# Altium PCB spin5v1_simple.PcbDoc (part 6 of 25)
Units mm, origin at the board's own origin, x right, y up, seen from the top; angles counter-clockwise.
Board outline 220.03 x 233.43 mm, 2 copper layers (TOP, BOTTOM), stack 0.176 mm thick; 1457 components, 4724 nets, 19245 pads, 25289 vias.
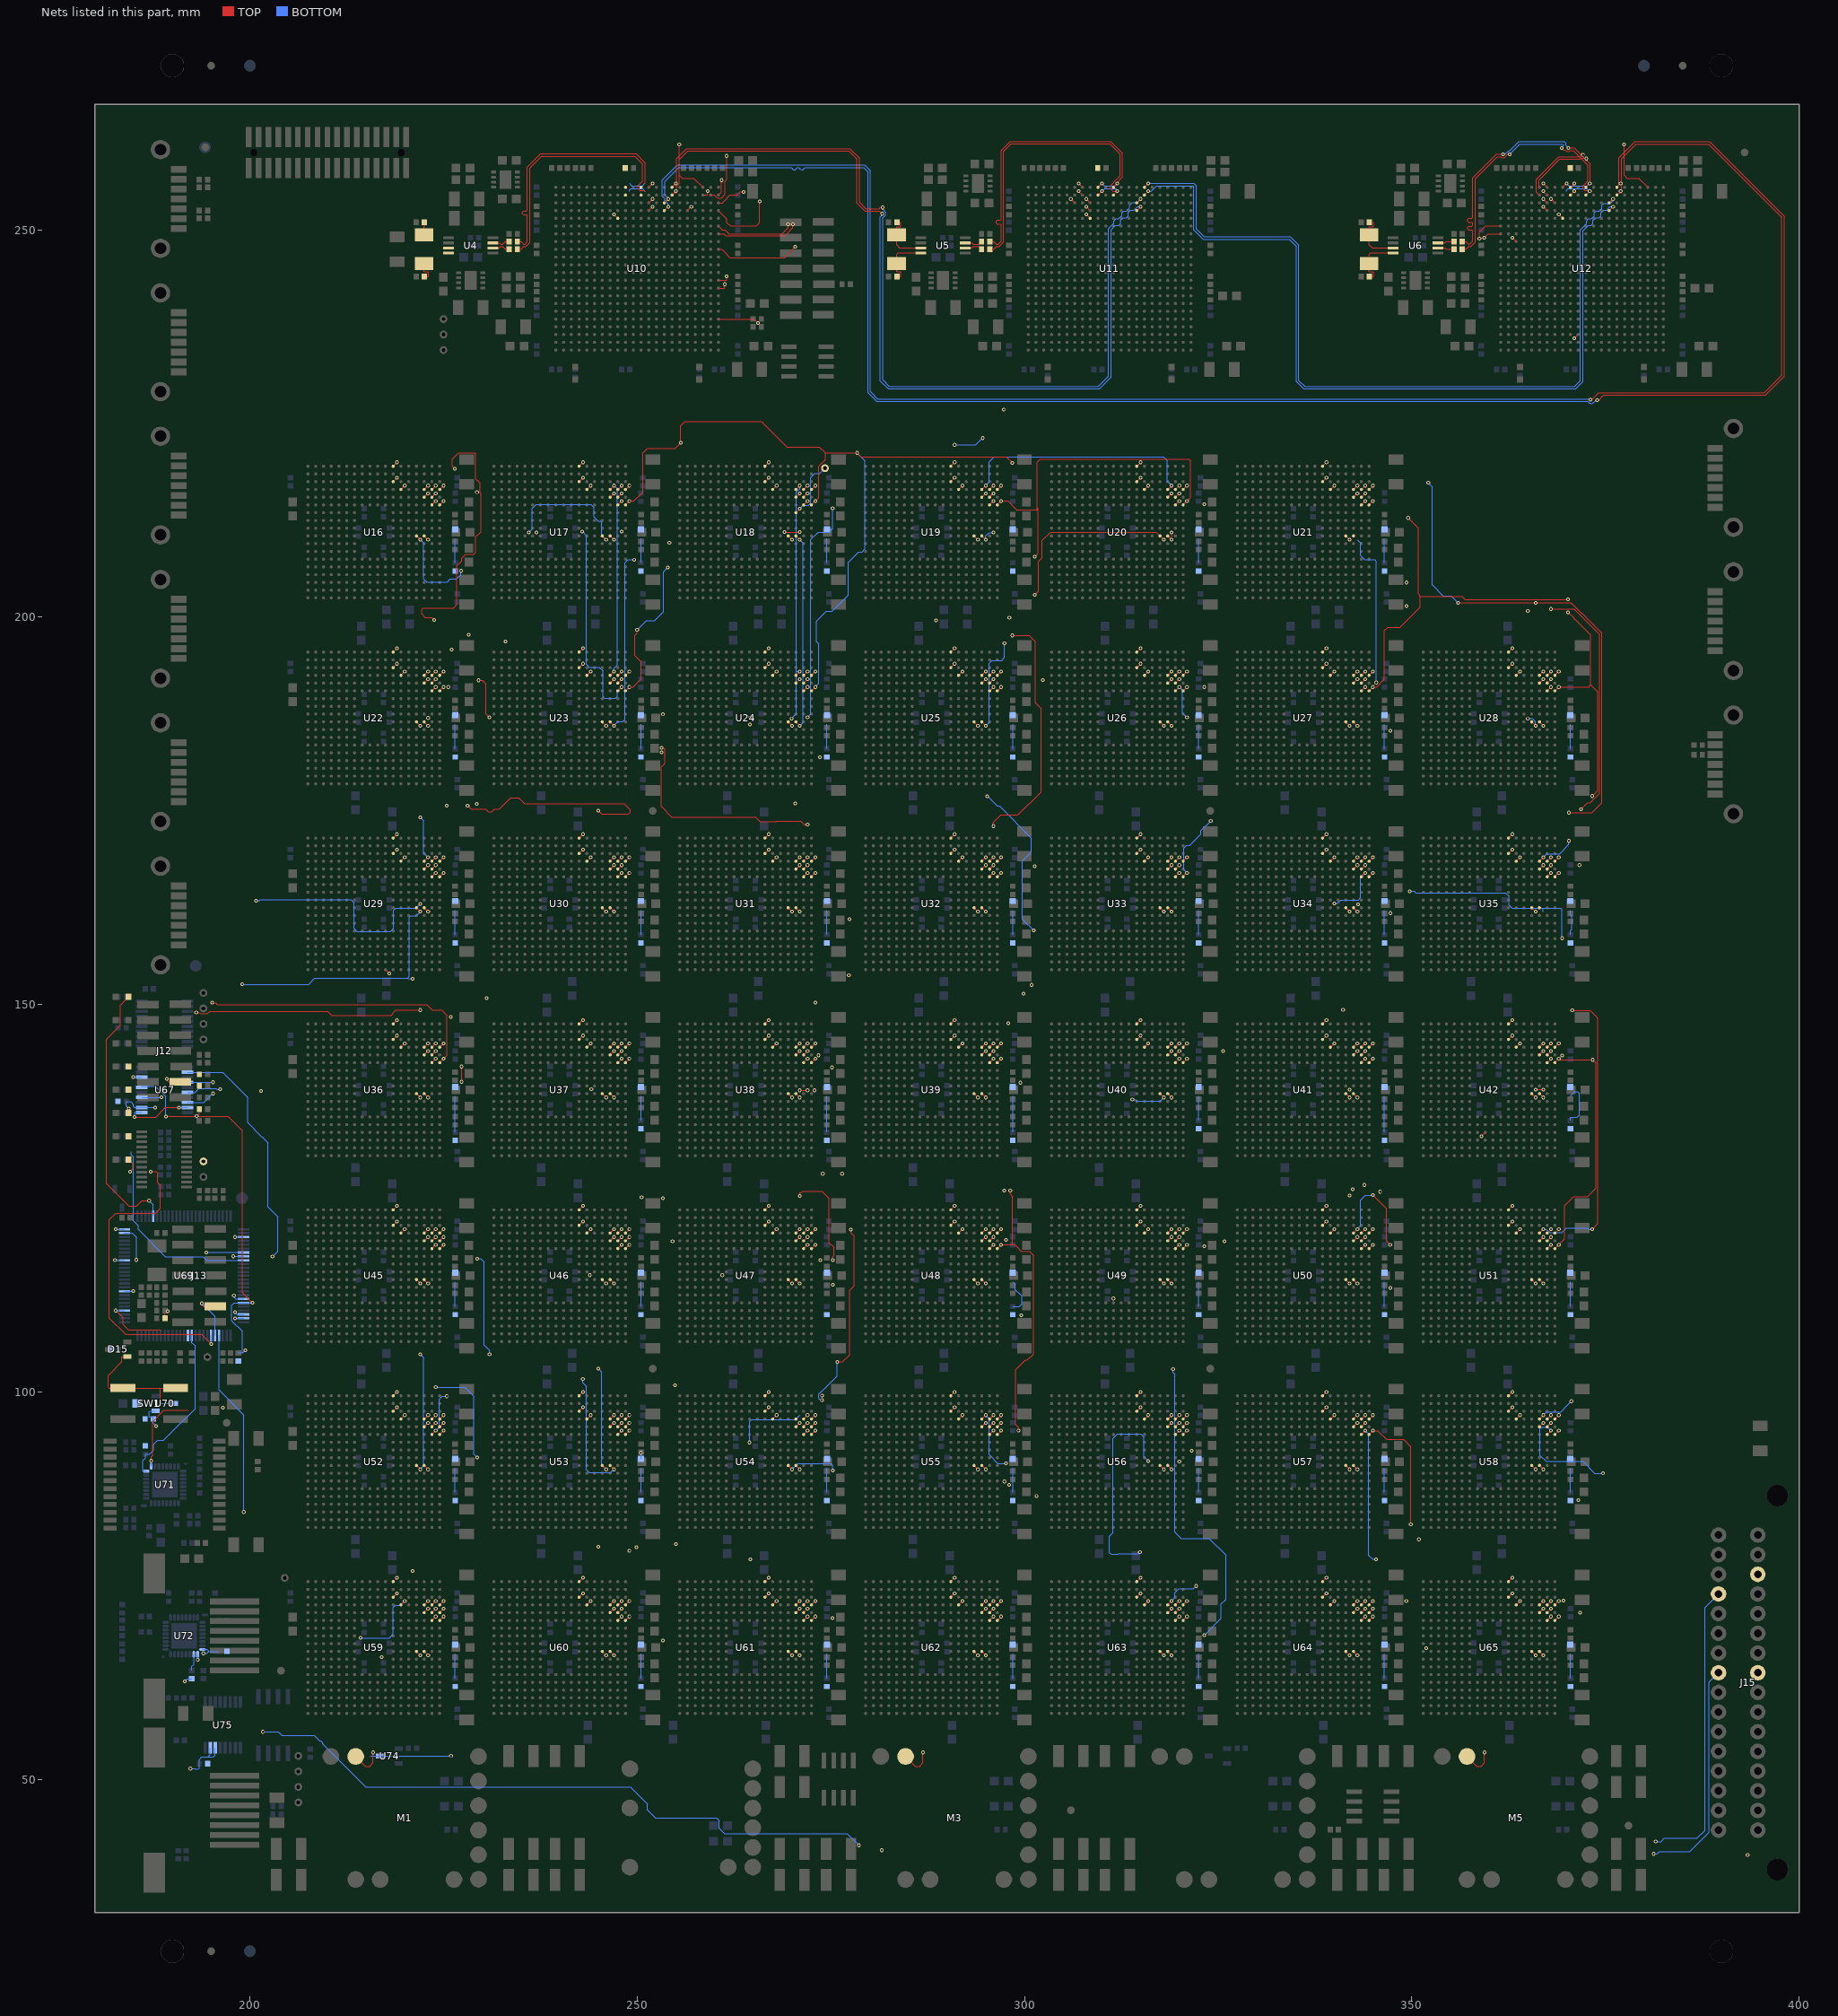
[diagram p6: the nets of this part, all layers, seen from the top]

## Via types
v1: diameter 0.48, hole 0.25, TOP to BOTTOM, 22348 vias
v2: diameter 0.61, hole 0.3, TOP to BOTTOM, 2059 vias
v3: diameter 0.8, hole 0, TOP to BOTTOM, 882 vias

## Nets (pads, with @x,y where several pads share a name; then routed paths per layer and width w, separated by ;. In a path a pad name is that pad's centre, name@x,y a point inside that pad or via, vN(x,y) a via of type N, cw(c..) or ccw(c..) an arc to the next point about the centre after c; other vN are vias at no path point) (continued)
GPIO<11>_39: U46.E18
  other v1: 249,120
GPIO<11>_40: U45.E18
  other v1: 225,120
GPIO<11>_41: U64.E18
  other v1: 345,72
GPIO<11>_42: U56.E18
  other v1: 321,96
GPIO<11>_43: U55.E18
  other v1: 297,96
GPIO<11>_44: U54.E18
  other v1: 273,96
GPIO<11>_45: U53.E18
  other v1: 249,96
GPIO<11>_46: U52.E18
  other v1: 225,96
GPIO<11>_47: U59.E18
  other v1: 225,72
GPIO<12>: U63.E17
  other v1: 320,72
GPIO<12>_48: U62.E17
  other v1: 296,72
GPIO<12>_49: U61.E17
  other v1: 272,72
GPIO<12>_50: U60.E17
  other v1: 248,72
GPIO<12>_51: U28.E17
  other v1: 368,192
GPIO<12>_52: U21.E17
  other v1: 344,216
GPIO<12>_53: U19.E17
  other v1: 296,216
GPIO<12>_54: U18.E17
  other v1: 272,216
GPIO<12>_55: U17.E17
  other v1: 248,216
GPIO<12>_56: U25.E17
  other v1: 296,192
GPIO<12>_57: U20.E17
  other v1: 320,216
GPIO<12>_58: U27.E17
  other v1: 344,192
GPIO<12>_59: U35.E17
  other v1: 368,168
GPIO<12>_60: U42.E17
  other v1: 368,144
GPIO<12>_61: U34.E17
  other v1: 344,168
GPIO<12>_62: U26.E17
  other v1: 320,192
GPIO<12>_63: U24.E17
  other v1: 272,192
GPIO<12>_64: U23.E17
  other v1: 248,192
GPIO<12>_65: U16.E17
  other v1: 224,216
GPIO<12>_66: U51.E17
  other v1: 368,120
GPIO<12>_67: U41.E17
  other v1: 344,144
GPIO<12>_68: U33.E17
  other v1: 320,168
GPIO<12>_69: U32.E17
  other v1: 296,168
GPIO<12>_70: U31.E17
  other v1: 272,168
GPIO<12>_71: U30.E17
  other v1: 248,168
GPIO<12>_72: U22.E17
  other v1: 224,192
GPIO<12>_73: U58.E17
  other v1: 368,96
GPIO<12>_74: U50.E17
  other v1: 344,120
GPIO<12>_75: U40.E17
  other v1: 320,144
GPIO<12>_76: U39.E17
  other v1: 296,144
GPIO<12>_77: U38.E17
  other v1: 272,144
GPIO<12>_78: U37.E17
  other v1: 248,144
GPIO<12>_79: U36.E17
  other v1: 224,144
GPIO<12>_80: U29.E17
  other v1: 224,168
GPIO<12>_81: U65.E17
  other v1: 368,72
GPIO<12>_82: U57.E17
  other v1: 344,96
GPIO<12>_83: U49.E17
  other v1: 320,120
GPIO<12>_84: U48.E17
  other v1: 296,120
GPIO<12>_85: U47.E17
  other v1: 272,120
GPIO<12>_86: U46.E17
  other v1: 248,120
GPIO<12>_87: U45.E17
  other v1: 224,120
GPIO<12>_88: U64.E17
  other v1: 344,72
GPIO<12>_89: U56.E17
  other v1: 320,96
GPIO<12>_90: U55.E17
  other v1: 296,96
GPIO<12>_91: U54.E17
  other v1: 272,96
GPIO<12>_92: U53.E17
  other v1: 248,96
GPIO<12>_93: U52.E17
  other v1: 224,96
GPIO<12>_94: U59.E17
  other v1: 224,72
GPIO<13>: U63.E16
  other v1: 319,72
GPIO<13>_48: U62.E16
  other v1: 295,72
GPIO<13>_49: U61.E16
  other v1: 271,72
GPIO<13>_50: U60.E16
  other v1: 247,72
GPIO<13>_51: U28.E16
  other v1: 367,192
GPIO<13>_52: U21.E16
  other v1: 343,216
GPIO<13>_53: U19.E16
  other v1: 295,216
GPIO<13>_54: U18.E16
  other v1: 271,216
GPIO<13>_55: U17.E16
  other v1: 247,216
GPIO<13>_56: U25.E16
  other v1: 295,192
GPIO<13>_57: U20.E16
  other v1: 319,216
GPIO<13>_58: U27.E16
  other v1: 343,192
GPIO<13>_59: U35.E16
  other v1: 367,168
GPIO<13>_60: U42.E16
  other v1: 367,144
GPIO<13>_61: U34.E16
  other v1: 343,168
GPIO<13>_62: U26.E16
  other v1: 319,192
GPIO<13>_63: U24.E16
  other v1: 271,192
GPIO<13>_64: U23.E16
  other v1: 247,192
GPIO<13>_65: U16.E16
  other v1: 223,216
GPIO<13>_66: U51.E16
  other v1: 367,120
GPIO<13>_67: U41.E16
  other v1: 343,144
GPIO<13>_68: U33.E16
  other v1: 319,168
GPIO<13>_69: U32.E16
  other v1: 295,168
GPIO<13>_70: U31.E16
  other v1: 271,168
GPIO<13>_71: U30.E16
  other v1: 247,168
GPIO<13>_72: U22.E16
  other v1: 223,192
GPIO<13>_73: U58.E16
  other v1: 367,96
GPIO<13>_74: U50.E16
  other v1: 343,120
GPIO<13>_75: U40.E16
  other v1: 319,144
GPIO<13>_76: U39.E16
  other v1: 295,144
GPIO<13>_77: U38.E16
  other v1: 271,144
GPIO<13>_78: U37.E16
  other v1: 247,144
GPIO<13>_79: U36.E16
  other v1: 223,144
GPIO<13>_80: U29.E16
  other v1: 223,168
GPIO<13>_81: U65.E16
  other v1: 367,72
GPIO<13>_82: U57.E16
  other v1: 343,96
GPIO<13>_83: U49.E16
  other v1: 319,120
GPIO<13>_84: U48.E16
  other v1: 295,120
GPIO<13>_85: U47.E16
  other v1: 271,120
GPIO<13>_86: U46.E16
  other v1: 247,120
GPIO<13>_87: U45.E16
  other v1: 223,120
GPIO<13>_88: U64.E16
  other v1: 343,72
GPIO<13>_89: U56.E16
  other v1: 319,96
GPIO<13>_90: U55.E16
  other v1: 295,96
GPIO<13>_91: U54.E16
  other v1: 271,96
GPIO<13>_92: U53.E16
  other v1: 247,96
GPIO<13>_93: U52.E16
  other v1: 223,96
GPIO<13>_94: U59.E16
  other v1: 223,72
GPIO<14>: U63.D18
  other v1: 321,73
GPIO<14>_48: U62.D18
  other v1: 297,73
GPIO<14>_49: U61.D18
  other v1: 273,73
GPIO<14>_50: U60.D18
  other v1: 249,73
GPIO<14>_51: U28.D18
  other v1: 369,193
GPIO<14>_52: U21.D18
  other v1: 345,217
GPIO<14>_53: U19.D18
  other v1: 297,217
GPIO<14>_54: U18.D18
  other v1: 273,217
GPIO<14>_55: U17.D18
  other v1: 249,217
GPIO<14>_56: U25.D18
  other v1: 297,193
GPIO<14>_57: U20.D18
  other v1: 321,217
GPIO<14>_58: U27.D18
  other v1: 345,193
GPIO<14>_59: U35.D18
  other v1: 369,169
GPIO<14>_60: U42.D18
  other v1: 369,145
GPIO<14>_61: U34.D18
  other v1: 345,169
GPIO<14>_62: U26.D18
  other v1: 321,193
GPIO<14>_63: U24.D18
  other v1: 273,193
GPIO<14>_64: U23.D18
  other v1: 249,193
GPIO<14>_65: U16.D18
  other v1: 225,217
GPIO<14>_66: U51.D18
  other v1: 369,121
GPIO<14>_67: U41.D18
  other v1: 345,145
GPIO<14>_68: U33.D18
  other v1: 321,169
GPIO<14>_69: U32.D18
  other v1: 297,169
GPIO<14>_70: U31.D18
  other v1: 273,169
GPIO<14>_71: U30.D18
  other v1: 249,169
GPIO<14>_72: U22.D18
  other v1: 225,193
GPIO<14>_73: U58.D18
  other v1: 369,97
GPIO<14>_74: U50.D18
  other v1: 345,121
GPIO<14>_75: U40.D18
  other v1: 321,145
GPIO<14>_76: U39.D18
  other v1: 297,145
GPIO<14>_77: U38.D18
  other v1: 273,145
GPIO<14>_78: U37.D18
  other v1: 249,145
GPIO<14>_79: U36.D18
  other v1: 225,145
GPIO<14>_80: U29.D18
  other v1: 225,169
GPIO<14>_81: U65.D18
  other v1: 369,73
GPIO<14>_82: U57.D18
  other v1: 345,97
GPIO<14>_83: U49.D18
  other v1: 321,121
GPIO<14>_84: U48.D18
  other v1: 297,121
GPIO<14>_85: U47.D18
  other v1: 273,121
GPIO<14>_86: U46.D18
  other v1: 249,121
GPIO<14>_87: U45.D18
  other v1: 225,121
GPIO<14>_88: U64.D18
  other v1: 345,73
GPIO<14>_89: U56.D18
  other v1: 321,97
GPIO<14>_90: U55.D18
  other v1: 297,97
GPIO<14>_91: U54.D18
  other v1: 273,97
GPIO<14>_92: U53.D18
  other v1: 249,97
GPIO<14>_93: U52.D18
  other v1: 225,97
GPIO<14>_94: U59.D18
  other v1: 225,73
GPIO<15>: U63.D17
  other v1: 320,73
GPIO<15>_48: U62.D17
  other v1: 296,73
GPIO<15>_49: U61.D17
  other v1: 272,73
GPIO<15>_50: U60.D17
  other v1: 248,73
GPIO<15>_51: U28.D17
  other v1: 368,193
GPIO<15>_52: U21.D17
  other v1: 344,217
GPIO<15>_53: U19.D17
  other v1: 296,217
GPIO<15>_54: U18.D17
  other v1: 272,217
GPIO<15>_55: U17.D17
  other v1: 248,217
GPIO<15>_56: U25.D17
  other v1: 296,193
GPIO<15>_57: U20.D17
  other v1: 320,217
GPIO<15>_58: U27.D17
  other v1: 344,193
GPIO<15>_59: U35.D17
  other v1: 368,169
GPIO<15>_60: U42.D17
  other v1: 368,145
GPIO<15>_61: U34.D17
  other v1: 344,169
GPIO<15>_62: U26.D17
  other v1: 320,193
GPIO<15>_63: U24.D17
  other v1: 272,193
GPIO<15>_64: U23.D17
  other v1: 248,193
GPIO<15>_65: U16.D17
  other v1: 224,217
GPIO<15>_66: U51.D17
  other v1: 368,121
GPIO<15>_67: U41.D17
  other v1: 344,145
GPIO<15>_68: U33.D17
  other v1: 320,169
GPIO<15>_69: U32.D17
  other v1: 296,169
GPIO<15>_70: U31.D17
  other v1: 272,169
GPIO<15>_71: U30.D17
  other v1: 248,169
GPIO<15>_72: U22.D17
  other v1: 224,193
GPIO<15>_73: U58.D17
  other v1: 368,97
GPIO<15>_74: U50.D17
  other v1: 344,121
GPIO<15>_75: U40.D17
  other v1: 320,145
GPIO<15>_76: U39.D17
  other v1: 296,145
GPIO<15>_77: U38.D17
  other v1: 272,145
GPIO<15>_78: U37.D17
  other v1: 248,145
GPIO<15>_79: U36.D17
  other v1: 224,145
GPIO<15>_80: U29.D17
  other v1: 224,169
GPIO<15>_81: U65.D17
  other v1: 368,73
GPIO<15>_82: U57.D17
  other v1: 344,97
GPIO<15>_83: U49.D17
  other v1: 320,121
GPIO<15>_84: U48.D17
  other v1: 296,121
GPIO<15>_85: U47.D17
  other v1: 272,121
GPIO<15>_86: U46.D17
  other v1: 248,121
GPIO<15>_87: U45.D17
  other v1: 224,121
GPIO<15>_88: U64.D17
  other v1: 344,73
GPIO<15>_89: U56.D17
  other v1: 320,97
GPIO<15>_90: U55.D17
  other v1: 296,97
GPIO<15>_91: U54.D17
  other v1: 272,97
GPIO<15>_92: U53.D17
  other v1: 248,97
GPIO<15>_93: U52.D17
  other v1: 224,97
GPIO<15>_94: U59.D17
  other v1: 224,73
GRST: J15.C4 R132.2 | length 38.2
  BOTTOM w0.127: v1(381.515,41.955) 382.2,41.955 382.622,42.377 386.864,42.377 387.88,43.393 387.88,72.17 J15.C4@389.62,73.91
GRST__INT: R132.1 U70.1 | length 2.3
  BOTTOM w0.127: 187.53,96.5 187.53,96.796 187.004,96.796 187.004,97.479 187.075,97.55 U70.1@187.81,97.55
  other v1: 187.871,95.592
GSIG: J15.A3 U69.79 | length 108.3
  BOTTOM w0.127: U69.79@196,107.3 196,100.224 199.199,97.025 v1(199.199,84.495) ; v1(201.687,56.111) 203.68,56.111 204.149,55.642 208.323,55.642 209.014,54.951 209.158,54.951 209.411,54.698 209.411,54.554 214.964,49.001 249.105,49.001 251.322,46.784 251.322,46.026 252.353,44.995 260.25,44.995 260.616,44.629 260.616,43.639 261.26,42.995 277.112,42.995 v1(278.642,41.465)
I2C_SCL: J15.C8 U69.24 | length 29.4
  BOTTOM w0.127: v1(381.249,40.365) 381.68,40.365 381.981,40.666 385.911,40.666 388.388,43.143 388.388,62.518 J15.C8@389.62,63.75
  other v1: 281.585,40.835 185.348,117.04
I2C_SDA: J15.A8 U69.25
  other v1: 393.387,40.235 182.683,121
ICS_N: C71.2 U6.6 | length 2.2
  TOP w0.127: U6.6@353.375,247.675 354.266,247.675 354.441,247.5 C71.2@355.47,247.5
ICS_N_1: C65.2 U4.6 | length 2.3
  TOP w0.125: U4.6@231.375,247.675 232.229,247.675 232.391,247.837 232.634,247.837 232.971,247.5 C65.2@233.47,247.5
ICS_N_2: C68.2 U5.6 | length 2.3
  TOP w0.125: U5.6@292.375,247.675 293.229,247.675 293.391,247.837 294.133,247.837 C68.2@294.47,247.5
ICS_P: C64.2 U6.7 | length 2.2
  TOP w0.127: U6.7@353.375,248.325 354.266,248.325 354.441,248.5 C64.2@355.47,248.5
ICS_P_1: C62.2 U4.7 | length 2.3
  TOP w0.125: U4.7@231.375,248.325 232.228,248.325 232.391,248.162 232.634,248.162 232.972,248.5 C62.2@233.47,248.5
ICS_P_2: C63.2 U5.7 | length 2.3
  TOP w0.125: U5.7@292.375,248.325 293.228,248.325 293.391,248.162 294.132,248.162 C63.2@294.47,248.5
ICS_XTAL_IN: C78.1 U6.4 U9.2 | length 7.1
  TOP w0.127: C78.1@344.53,244 345.066,244 345.066,244.509 344.966,244.609 344.5,244.609 U9.2@344.5,245.65 344.5,246.826 344.699,247.025 U6.4@347.625,247.025
ICS_XTAL_IN_1: C74.1 U4.4 U7.2 | length 2.7
  TOP w0.127: U7.2@222.5,245.65 222.5,244.609 222.966,244.609 223.066,244.509 223.066,244 C74.1@222.53,244
ICS_XTAL_IN_2: C76.1 U5.4 U8.2 | length 7.1
  TOP w0.127: C76.1@283.53,244 284.066,244 284.066,244.509 283.966,244.609 283.5,244.609 U8.2@283.5,245.65 283.5,246.826 283.699,247.025 U5.4@286.625,247.025
ICS_XTAL_OUT: C58.1 U6.3 U9.1 | length 7.3
  TOP w0.127: C58.1@344.53,251 345.066,251 345.066,250.491 344.966,250.391 344.5,250.391 U9.1@344.5,249.35 344.5,248.072 344.897,247.675 U6.3@347.625,247.675
ICS_XTAL_OUT_1: C56.1 U4.3 U7.1 | length 1.7
  TOP w0.127: U7.1@222.5,249.35 222.5,250.409 222.53,250.439 C56.1@222.53,251
ICS_XTAL_OUT_2: C57.1 U5.3 U8.1 | length 7.3
  TOP w0.127: C57.1@283.53,251 284.066,251 284.066,250.491 283.966,250.391 283.5,250.391 U8.1@283.5,249.35 283.5,248.072 283.897,247.675 U5.3@286.625,247.675
INHIB1V2: M1.11 M3.11 M5.11 U74.3 | length 9.2
  BOTTOM w0.127: U74.3@216.81,53 v1(225.961,53)
  other v1: 215.899,53.45 286.899,53.45 359.399,53.45
IO6_U: R99.1 U67.2 U69.74 | length 2.5
  BOTTOM w0.127: 184.03,137.5 184.59,137.5 184.987,137.103 184.987,136.82 185.087,136.72 U67.2@186.05,136.72
  other v1: 198.083,109.5 184.371,136.592 187.767,136.72
IO7_U: R11.1 U67.4 U69.73
  other v1: 198.083,110.3 188.582,138.02
IO8_U: R131.1 U67.6 U69.70 | length 42.3
  TOP w0.127: v1(189.144,135.561) 197.18,135.561 199.022,133.719 199.022,112.795 v1(200.317,111.5)
  BOTTOM w0.127: 198.5,105.03 199.022,105.03 199.022,107.81 197.652,109.18 197.652,111.182 197.97,111.5 U69.70@199.2,111.5
  other v1: 199.408,105.371
IO9_U: R10.1 U67.8 U69.69
  other v1: 197.931,112.431 184.933,140.62
IO<6>: U16.K16 U17.K16 U18.K16 U19.K16 U20.K16 U21.K16 U22.K16 U23.K16 U24.K16 U25.K16 U26.K16 U27.K16 U28.K16 U29.K16 U30.K16 U31.K16 U32.K16 U33.K16 U34.K16 U35.K16 U36.K16 U37.K16 U38.K16 U39.K16 U40.K16 U41.K16 U42.K16 U45.K16 U46.K16 U47.K16 U48.K16 U49.K16 U50.K16 U51.K16 U52.K16 U53.K16 U54.K16 U55.K16 U56.K16 U57.K16 U58.K16 U59.K16 U60.K16 U61.K16 U62.K16 U63.K16 U64.K16 U65.K16 U67.18 | length 264.7
  TOP w0.127: v1(227.333,140.037) v1(227.333,142) ; v1(229.529,191.86) 230.004,191.86 230.449,191.415 230.449,187.547 v1(230.929,187.067) ; v1(253.167,183.165) 253.358,183.165 253.598,182.925 253.598,181.129 253.141,180.672 253.141,176.461 253.132,176.452 253.132,175.56 254.466,174.226 265.27,174.226 265.857,173.639 267.948,173.639 267.972,173.663 271.139,173.663 271.569,173.233 v1(272,173.233) ; v1(269,211) v1(271,211) ; v1(319,210) v1(319,210.931)
  BOTTOM w0.127: v1(200.805,163.407) 201.236,163.407 201.368,163.539 213.034,163.539 213.431,163.142 213.431,159.831 213.828,159.434 218.164,159.434 218.561,159.831 218.561,162.177 218.815,162.431 221.432,162.431 v1(222.001,163) ; v1(224,100.607) 227.753,100.607 228.896,99.464 228.896,91.963 v1(229.342,91.517) ; v1(242.993,101.671) 242.993,101.158 243.431,100.72 243.431,89.949 243.812,89.568 246.568,89.568 v1(247,90) ; v1(247,186) 247.513,186.513 248.113,186.513 248.431,186.831 248.431,207.05 248.812,207.431 v1(249.607,207.431) ; v1(271,186) 271.431,186.431 271.431,209.569 v1(271,210) ; v1(295,186) 295.431,186.431 295.431,194.05 295.812,194.431 297.05,194.431 297.431,194.812 v1(297.431,196.646) ; v1(295,210) 295,210.486 295.445,210.931 v1(296,210.931) ; v1(295.2,176.897) 296.469,175.628 296.768,175.628 300.896,171.5 300.896,169.668 299.754,168.526 299.754,161.02 v1(301.216,159.558) ; v1(319,90) 319.432,90 ; v1(319.2,102.926) 319.2,102.495 319.432,102.263 319.432,90 ; v1(323.237,68.592) 325.404,70.759 325.404,72.624 326.005,73.225 326.005,78.926 323.846,81.085 320.258,81.085 319.432,81.911 319.432,90 ; 343,210 343.432,209.568 343.432,207.939 343.94,207.431 345.232,207.431 345.431,207.232 v1(345.431,191.57) ; v1(349.742,164.62) 350.334,164.62 350.523,164.431 362.116,164.431 362.561,163.986 362.561,162.876 363.006,162.431 367,162.431 ; 367,162 367,162.431 ; v1(369.431,158.558) 369.431,162.232 369.232,162.431 367,162.431
  other v1: 223,66 247,66 271,66 295,66 319,66 343,66 367,66 351.901,66.931 253.315,67.917 249.924,79.96 350.931,80.957 301.569,86.571 223,90 271,90 295,90 343,90 367,90 273.862,99.533 299.578,109.892 223,114 247,114 271,114 295,114 319,114 343,114 367,114 273.639,117 342,125.358 276.464,128.159 223,138 247,138 271,138 295,138 319,138 343,138 367,138 195.232,138.534 201.434,138.85 272.901,138.931 244.087,139.068 299.467,139.917 273.431,143.444 273,150.256 299.9,151.397 223,162 247,162 271,162 295,162 319,162 343,162 347.237,185.334 223,186 319,186 343,186 367,186 233,196.862 223,210 247,210 237,210.931
IO<7>: U16.K15 U17.K15 U18.K15 U19.K15 U20.K15 U21.K15 U22.K15 U23.K15 U24.K15 U25.K15 U26.K15 U27.K15 U28.K15 U29.K15 U30.K15 U31.K15 U32.K15 U33.K15 U34.K15 U35.K15 U36.K15 U37.K15 U38.K15 U39.K15 U40.K15 U41.K15 U42.K15 U45.K15 U46.K15 U47.K15 U48.K15 U49.K15 U50.K15 U51.K15 U52.K15 U53.K15 U54.K15 U55.K15 U56.K15 U57.K15 U58.K15 U59.K15 U60.K15 U61.K15 U62.K15 U63.K15 U64.K15 U65.K15 U67.16 | length 164.8
  TOP w0.127: v1(271,125.278) 271,125.709 271.18,125.709 271.389,125.918 273.839,125.918 274.792,124.965 274.792,119.244 275.399,118.637 275.399,117.586 275.267,117.454 v1(275.267,117.023) ; v1(301.342,202.893) 301.847,203.398 301.847,207.214 302.281,207.648 302.281,209.916 303.361,210.996 317.004,210.996 U20.K15@317.5,210.5 ; v1(366,139.034) v1(367,139.034)
  BOTTOM w0.127: v1(199.023,152.622) 207.577,152.622 208.358,153.403 220.315,153.403 ; v1(221,153.338) 220.38,153.338 220.315,153.403 ; v1(222,90) 222.432,90.432 222.432,104.41 v1(222,104.842) ; v1(222,162) 221.431,161.431 220.768,161.431 220.569,161.232 220.569,153.657 220.315,153.403 ; v1(222,210) 222.432,209.568 222.432,204.95 222.813,204.569 225.5,204.569 225.87,204.939 226.683,204.939 227.255,205.511 v1(227.255,206) ; v1(236,210.931) 236.431,211.362 236.431,214.058 236.939,214.566 244.05,214.566 244.431,214.185 244.431,212.939 244.939,212.431 245.232,212.431 245.431,212.232 245.431,210.569 v1(246,210) ; v1(245,103.014) 245.431,102.583 245.431,90.569 v1(246,90) ; v1(270,90) 270.766,90.766 275.013,90.766 275.267,90.512 v1(275.267,89.841) ; v1(313.933,137.742) 314.364,137.742 314.538,137.568 317.568,137.568 v1(318,138) ; v1(314.917,79.297) 314.74,79.12 312.157,79.12 312.076,79.039 311.199,79.039 311,79.238 311,81.391 311.431,81.822 311.431,93.994 312.003,94.566 315.05,94.566 315.431,94.185 315.431,91.638 v1(316,91.069) ; v1(365,186.931) 365.555,186.931 366,186.486 v1(366,186)
  other v1: 222,66 246,66 270,66 294,66 318,66 342,66 366,66 275.227,70.801 245,79.996 294,90 318,90 342,90 366,90 311.487,112.067 275.267,113.846 222,114 246,114 270,114 294,114 318,114 342,114 366,114 243.901,115.068 342.407,126.158 222,138 246,138 270,138 294,138 342,138 366,138 342,139 196.167,139.069 341.138,149.308 218,154 246,162 270,162 294,162 318,162 342,162 366,162 222,186 246,186 270,186 294,186 318,186 342,186 264.566,186.172 223,187 253.342,187.469 228.255,197.744 365,200.808 349.327,204.479 254.164,209.6 270,210 294,210 318,210 342,210
IO<8>: U16.F18 U17.F18 U18.F18 U19.F18 U20.F18 U21.F18 U22.F18 U23.F18 U24.F18 U25.F18 U26.F18 U27.F18 U28.F18 U29.F18 U30.F18 U31.F18 U32.F18 U33.F18 U34.F18 U35.F18 U36.F18 U37.F18 U38.F18 U39.F18 U40.F18 U41.F18 U42.F18 U45.F18 U46.F18 U47.F18 U48.F18 U49.F18 U50.F18 U51.F18 U52.F18 U53.F18 U54.F18 U55.F18 U56.F18 U57.F18 U58.F18 U59.F18 U60.F18 U61.F18 U62.F18 U63.F18 U64.F18 U65.F18 U67.14 | length 394.7
  TOP w0.127: v1(195.121,150.242) 195.552,150.242 195.817,149.977 222.851,149.977 223.536,149.292 224.732,149.292 225.431,148.593 225.431,143.431 v1(225,143) ; v1(228.111,175.678) 228.56,175.229 230.412,175.229 230.752,174.889 231.259,174.889 231.603,175.233 232.205,175.233 233.673,176.701 234.693,176.701 235.477,175.917 247.426,175.917 247.435,175.926 248.323,175.926 249.117,175.132 249.117,174.855 248.863,174.601 245.432,174.601 v1(245.001,175.032) ; v1(249,191) 249.47,191 250.486,192.016 250.486,194.297 250.287,194.496 250.269,194.496 249.697,195.068 249.697,197.624 250,197.927 v1(250,198.358) ; v1(249,215) 249.597,215 250.74,216.143 250.74,221.251 251.312,221.823 254.941,221.823 v1(255.631,222.513) 255.631,224.706 256.203,225.278 266.04,225.278 269.331,221.987 273.53,221.987 274.292,221.225 ; v1(273,215) 273.431,215.431 273.431,219.51 274.292,220.371 274.292,221.225 ; v1(297,119) 298.486,119 ; v1(297,215) 297.867,215 298.661,214.206 298.661,214.198 298.979,213.88 301.649,213.88 301.649,214.134 ; v1(298.168,125.978) 298.168,125.547 298.486,125.229 298.486,119 ; v1(298.455,219.929) 297.656,220.728 278.89,220.728 v1(278.393,221.225) 274.292,221.225 ; v1(299.227,95) 299.227,95.431 298.859,95.799 298.859,102.873 300.129,104.143 300.404,104.143 301.166,104.905 301.166,117.612 300.658,118.12 299.598,118.12 299.399,118.319 299.399,118.365 298.764,119 298.486,119 ; v1(301.337,207.8) 301.773,208.236 301.773,214.01 301.649,214.134 ; v1(321,215) 321.431,215.431 321.431,220.232 321.232,220.431 302.046,220.431 301.649,220.034 301.649,214.134 ; v1(345,95) 345.62,95 346.754,93.866 348.94,93.866 349.893,92.913 v1(349.893,82.911) ; v1(345,191) 345.47,191 346.486,192.016 346.486,198.261 346.931,198.706 348.526,198.706 351.13,201.31 351.13,202.719 ; v1(349.542,212.831) 350.876,211.497 350.876,202.973 351.13,202.719 ; v1(369,119) 369.77,119.77 369.77,124.073 370.913,125.216 372.722,125.216 373.802,126.296 373.802,142.444 v1(373.371,142.875) 372.94,142.875 372.931,142.884 369.116,142.884 v1(369,143) ; v1(369,191) 372.887,191 373.141,191.254 ; v1(370.2,200.633) 370.885,199.948 370.885,199.893 371.012,199.766 371.109,199.766 373.141,197.734 373.141,191.254 ; v1(370.2,202.295) 356.891,202.295 356.467,202.719 351.13,202.719 ; v1(373.317,176.928) 374.027,177.638 374.027,190.368 373.141,191.254

## Text inside footprints (layer, text, board x,y; h text height)
U31: PIN_NUMBER "M17" at 271.166,160.5 h0.24; PIN_NUMBER "M18" at 272.166,160.5 h0.24; PIN_NUMBER "J17" at 271.166,163.5 h0.24; PIN_NUMBER "J18" at 272.166,163.5 h0.24; PIN_NUMBER "C16" at 270.166,169.5 h0.24; PIN_NUMBER "G17" at 271.166,165.5 h0.24; PIN_NUMBER "B18" at 272.166,170.5 h0.24; PIN_NUMBER "G16" at 270.166,165.5 h0.24; PIN_NUMBER "J16" at 270.166,163.5 h0.24; PIN_NUMBER "C17" at 271.166,169.5 h0.24; PIN_NUMBER "C18" at 272.166,169.5 h0.24; PIN_NUMBER "D16" at 270.166,168.5 h0.24; PIN_NUMBER "K15" at 269.166,162.5 h0.24; PIN_NUMBER "K16" at 270.166,162.5 h0.24; PIN_NUMBER "E18" at 272.166,167.5 h0.24; PIN_NUMBER "F16" at 270.166,166.5 h0.24; PIN_NUMBER "M16" at 270.166,160.5 h0.24; PIN_NUMBER "P14" at 268.166,158.5 h0.24; PIN_NUMBER "N13" at 267.166,159.5 h0.24; PIN_NUMBER "N14" at 268.166,159.5 h0.24; PIN_NUMBER "M12" at 266.166,160.5 h0.24; PIN_NUMBER "M13" at 267.166,160.5 h0.24; PIN_NUMBER "M14" at 268.166,160.5 h0.24; PIN_NUMBER "H12" at 266.166,164.5 h0.24; PIN_NUMBER "H13" at 267.166,164.5 h0.24; PIN_NUMBER "H14" at 268.166,164.5 h0.24; PIN_NUMBER "E6" at 259.854,167.5 h0.24; PIN_NUMBER "E7" at 260.854,167.5 h0.24; PIN_NUMBER "F7" at 260.854,166.5 h0.24; PIN_NUMBER "E8" at 261.854,167.5 h0.24; PIN_NUMBER "F8" at 261.854,166.5 h0.24; PIN_NUMBER "L5" at 258.854,161.5 h0.24; PIN_NUMBER "L6" at 259.854,161.5 h0.24; PIN_NUMBER "L7" at 260.854,161.5 h0.24; PIN_NUMBER "G7" at 260.854,165.5 h0.24; PIN_NUMBER "G5" at 258.854,165.5 h0.24; PIN_NUMBER "G6" at 259.854,165.5 h0.24; PIN_NUMBER "F5" at 258.854,166.5 h0.24; PIN_NUMBER "F6" at 259.854,166.5 h0.24; PIN_NUMBER "E5" at 258.854,167.5 h0.24; PIN_NUMBER "P11" at 265.166,158.5 h0.24; PIN_NUMBER "N11" at 265.166,159.5 h0.24; PIN_NUMBER "P12" at 266.166,158.5 h0.24; PIN_NUMBER "N12" at 266.166,159.5 h0.24; PIN_NUMBER "P13" at 267.166,158.5 h0.24; PIN_NUMBER "K12" at 266.166,162.5 h0.24; PIN_NUMBER "K13" at 267.166,162.5 h0.24; PIN_NUMBER "K14" at 268.166,162.5 h0.24; PIN_NUMBER "E10" at 263.936,167.5 h0.24; PIN_NUMBER "F10" at 263.936,166.5 h0.24; PIN_NUMBER "J5" at 258.854,163.5 h0.24; PIN_NUMBER "J6" at 259.854,163.5 h0.24; PIN_NUMBER "J7" at 260.854,163.5 h0.24; PIN_NUMBER "N9" at 262.854,159.5 h0.24; PIN_NUMBER "P9" at 262.854,158.5 h0.24; PIN_NUMBER "C13" at 267.166,169.5 h0.24; PIN_NUMBER "B13" at 267.166,170.5 h0.24; PIN_NUMBER "A13" at 267.166,171.5 h0.24; PIN_NUMBER "D14" at 268.166,168.5 h0.24; PIN_NUMBER "C14" at 268.166,169.5 h0.24; PIN_NUMBER "B14" at 268.166,170.5 h0.24; PIN_NUMBER "A14" at 268.166,171.5 h0.24; PIN_NUMBER "K17" at 271.166,162.5 h0.24; PIN_NUMBER "K18" at 272.166,162.5 h0.24; PIN_NUMBER "L15" at 269.166,161.5 h0.24; PIN_NUMBER "L16" at 270.166,161.5 h0.24; PIN_NUMBER "A8" at 261.854,171.5 h0.24; PIN_NUMBER "D9" at 262.854,168.5 h0.24; PIN_NUMBER "C11" at 265.166,169.5 h0.24; PIN_NUMBER "B11" at 265.166,170.5 h0.24; PIN_NUMBER "A11" at 265.166,171.5 h0.24; PIN_NUMBER "D10" at 263.936,168.5 h0.24; PIN_NUMBER "C10" at 263.936,169.5 h0.24; PIN_NUMBER "B10" at 263.936,170.5 h0.24; PIN_NUMBER "A10" at 263.936,171.5 h0.24; PIN_NUMBER "C9" at 262.854,169.5 h0.24; PIN_NUMBER "B9" at 262.854,170.5 h0.24; PIN_NUMBER "A9" at 262.854,171.5 h0.24; PIN_NUMBER "D8" at 261.854,168.5 h0.24; PIN_NUMBER "C8" at 261.854,169.5 h0.24; PIN_NUMBER "B8" at 261.854,170.5 h0.24; PIN_NUMBER "D11" at 265.166,168.5 h0.24; PIN_NUMBER "R17" at 271.166,157.5 h0.24; PIN_NUMBER "V18" at 272.166,154.5 h0.24; PIN_NUMBER "P18" at 272.166,158.5 h0.24; PIN_NUMBER "P17" at 271.166,158.5 h0.24; PIN_NUMBER "P16" at 270.166,158.5 h0.24; PIN_NUMBER "N18" at 272.166,159.5 h0.24; PIN_NUMBER "N17" at 271.166,159.5 h0.24; PIN_NUMBER "N16" at 270.166,159.5 h0.24; PIN_NUMBER "N15" at 269.166,159.5 h0.24; PIN_NUMBER "U18" at 272.166,155.5 h0.24; PIN_NUMBER "U17" at 271.166,155.5 h0.24; PIN_NUMBER "T18" at 272.166,156.5 h0.24; PIN_NUMBER "T17" at 271.166,156.5 h0.24; PIN_NUMBER "T16" at 270.166,156.5 h0.24; PIN_NUMBER "R18" at 272.166,157.5 h0.24; PIN_NUMBER "R16" at 270.166,157.5 h0.24; PIN_NUMBER "V12" at 266.166,154.5 h0.24; PIN_NUMBER "R13" at 267.166,157.5 h0.24; PIN_NUMBER "T15" at 269.166,156.5 h0.24; PIN_NUMBER "U15" at 269.166,155.5 h0.24; PIN_NUMBER "V15" at 269.166,154.5 h0.24; PIN_NUMBER "R14" at 268.166,157.5 h0.24; PIN_NUMBER "T14" at 268.166,156.5 h0.24; PIN_NUMBER "U14" at 268.166,155.5 h0.24; PIN_NUMBER "V14" at 268.166,154.5 h0.24; PIN_NUMBER "T13" at 267.166,156.5 h0.24; PIN_NUMBER "U13" at 267.166,155.5 h0.24; PIN_NUMBER "V13" at 267.166,154.5 h0.24; PIN_NUMBER "R12" at 266.166,157.5 h0.24; PIN_NUMBER "T12" at 266.166,156.5 h0.24; PIN_NUMBER "U12" at 266.166,155.5 h0.24; PIN_NUMBER "V16" at 270.166,154.5 h0.24; PIN_NUMBER "V8" at 261.854,154.5 h0.24; PIN_NUMBER "R9" at 262.854,157.5 h0.24; PIN_NUMBER "T11" at 265.166,156.5 h0.24; PIN_NUMBER "U11" at 265.166,155.5 h0.24; PIN_NUMBER "V11" at 265.166,154.5 h0.24; PIN_NUMBER "R10" at 263.936,157.5 h0.24; PIN_NUMBER "T10" at 263.936,156.5 h0.24; PIN_NUMBER "U10" at 263.936,155.5 h0.24; PIN_NUMBER "V10" at 263.936,154.5 h0.24; PIN_NUMBER "T9" at 262.854,156.5 h0.24; PIN_NUMBER "U9" at 262.854,155.5 h0.24; PIN_NUMBER "V9" at 262.854,154.5 h0.24; PIN_NUMBER "R8" at 261.854,157.5 h0.24; PIN_NUMBER "T8" at 261.854,156.5 h0.24; PIN_NUMBER "U8" at 261.854,155.5 h0.24; PIN_NUMBER "R11" at 265.166,157.5 h0.24; PIN_NUMBER "A3" at 256.854,171.5 h0.24; PIN_NUMBER "D5" at 258.854,168.5 h0.24; PIN_NUMBER "C7" at 260.854,169.5 h0.24; PIN_NUMBER "B7" at 260.854,170.5 h0.24; PIN_NUMBER "A7" at 260.854,171.5 h0.24; PIN_NUMBER "D6" at 259.854,168.5 h0.24; PIN_NUMBER "C6" at 259.854,169.5 h0.24; PIN_NUMBER "B6" at 259.854,170.5 h0.24; PIN_NUMBER "A6" at 259.854,171.5 h0.24; PIN_NUMBER "C5" at 258.854,169.5 h0.24; PIN_NUMBER "B5" at 258.854,170.5 h0.24; PIN_NUMBER "A5" at 258.854,171.5 h0.24; PIN_NUMBER "C4" at 257.854,169.5 h0.24; PIN_NUMBER "B4" at 257.854,170.5 h0.24; PIN_NUMBER "A4" at 257.854,171.5 h0.24; PIN_NUMBER "D7" at 260.854,168.5 h0.24; PIN_NUMBER "V6" at 259.854,154.5 h0.24; PIN_NUMBER "R7" at 260.854,157.5 h0.24; PIN_NUMBER "T5" at 258.854,156.5 h0.24; PIN_NUMBER "U5" at 258.854,155.5 h0.24; PIN_NUMBER "V5" at 258.854,154.5 h0.24; PIN_NUMBER "T4" at 257.854,156.5 h0.24; PIN_NUMBER "U4" at 257.854,155.5 h0.24; PIN_NUMBER "V4" at 257.854,154.5 h0.24; PIN_NUMBER "V3" at 256.854,154.5 h0.24; PIN_NUMBER "T7" at 260.854,156.5 h0.24; PIN_NUMBER "U7" at 260.854,155.5 h0.24; PIN_NUMBER "V7" at 260.854,154.5 h0.24; PIN_NUMBER "R6" at 259.854,157.5 h0.24; PIN_NUMBER "T6" at 259.854,156.5 h0.24; PIN_NUMBER "U6" at 259.854,155.5 h0.24; PIN_NUMBER "R5" at 258.854,157.5 h0.24; PIN_NUMBER "C15" at 269.166,169.5 h0.24; PIN_NUMBER "B15" at 269.166,170.5 h0.24; PIN_NUMBER "A15" at 269.166,171.5 h0.24; PIN_NUMBER "B16" at 270.166,170.5 h0.24; PIN_NUMBER "A16" at 270.166,171.5 h0.24; PIN_NUMBER "A17" at 271.166,171.5 h0.24; PIN_NUMBER "A18" at 272.166,171.5 h0.24; PIN_NUMBER "B17" at 271.166,170.5 h0.24; PIN_NUMBER "H16" at 270.166,164.5 h0.24; PIN_NUMBER "H15" at 269.166,164.5 h0.24; PIN_NUMBER "B12" at 266.166,170.5 h0.24; PIN_NUMBER "C12" at 266.166,169.5 h0.24; PIN_NUMBER "A12" at 266.166,171.5 h0.24; PIN_NUMBER "D13" at 267.166,168.5 h0.24; PIN_NUMBER "F17" at 271.166,166.5 h0.24; PIN_NUMBER "F18" at 272.166,166.5 h0.24; PIN_NUMBER "D17" at 271.166,168.5 h0.24; PIN_NUMBER "D18" at 272.166,168.5 h0.24; PIN_NUMBER "E16" at 270.166,167.5 h0.24; PIN_NUMBER "E17" at 271.166,167.5 h0.24; PIN_NUMBER "L12" at 266.166,161.5 h0.24; PIN_NUMBER "L13" at 267.166,161.5 h0.24; PIN_NUMBER "L14" at 268.166,161.5 h0.24; PIN_NUMBER "L17" at 271.166,161.5 h0.24; PIN_NUMBER "L18" at 272.166,161.5 h0.24; PIN_NUMBER "J12" at 266.166,163.5 h0.24; PIN_NUMBER "J13" at 267.166,163.5 h0.24; PIN_NUMBER "J14" at 268.166,163.5 h0.24; PIN_NUMBER "H17" at 271.166,164.5 h0.24; PIN_NUMBER "H18" at 272.166,164.5 h0.24; PIN_NUMBER "G12" at 266.166,165.5 h0.24; PIN_NUMBER "G13" at 267.166,165.5 h0.24; PIN_NUMBER "G14" at 268.166,165.5 h0.24; PIN_NUMBER "F13" at 267.166,166.5 h0.24; PIN_NUMBER "F14" at 268.166,166.5 h0.24; PIN_NUMBER "E14" at 268.166,167.5 h0.24; PIN_NUMBER "E9" at 262.854,167.5 h0.24; PIN_NUMBER "F9" at 262.854,166.5 h0.24; PIN_NUMBER "F11" at 265.166,166.5 h0.24; PIN_NUMBER "E11" at 265.166,167.5 h0.24; PIN_NUMBER "F12" at 266.166,166.5 h0.24; PIN_NUMBER "E12" at 266.166,167.5 h0.24; PIN_NUMBER "E13" at 267.166,167.5 h0.24; PIN_NUMBER "P5" at 258.854,158.5 h0.24; PIN_NUMBER "N6" at 259.854,159.5 h0.24; PIN_NUMBER "N5" at 258.854,159.5 h0.24; PIN_NUMBER "M5" at 258.854,160.5 h0.24; PIN_NUMBER "M6" at 259.854,160.5 h0.24; PIN_NUMBER "M7" at 260.854,160.5 h0.24; PIN_NUMBER "K5" at 258.854,162.5 h0.24; PIN_NUMBER "K6" at 259.854,162.5 h0.24; PIN_NUMBER "K7" at 260.854,162.5 h0.24; PIN_NUMBER "H5" at 258.854,164.5 h0.24; PIN_NUMBER "H6" at 259.854,164.5 h0.24; PIN_NUMBER "H7" at 260.854,164.5 h0.24; PIN_NUMBER "P6" at 259.854,158.5 h0.24; PIN_NUMBER "N7" at 260.854,159.5 h0.24; PIN_NUMBER "P7" at 260.854,158.5 h0.24; PIN_NUMBER "N8" at 261.854,159.5 h0.24; PIN_NUMBER "P8" at 261.854,158.5 h0.24; PIN_NUMBER "P10" at 263.936,158.5 h0.24; PIN_NUMBER "N10" at 263.936,159.5 h0.24; PIN_NUMBER "D12" at 266.166,168.5 h0.24; PIN_NUMBER "G15" at 269.166,165.5 h0.24; PIN_NUMBER "M15" at 269.166,160.5 h0.24; PIN_NUMBER "G18" at 272.166,165.5 h0.24; PIN_NUMBER "R15" at 269.166,157.5 h0.24; PIN_NUMBER "P15" at 269.166,158.5 h0.24; PIN_NUMBER "J15" at 269.166,163.5 h0.24; PIN_NUMBER "F15" at 269.166,166.5 h0.24; PIN_NUMBER "E15" at 269.166,167.5 h0.24; PIN_NUMBER "D15" at 269.166,168.5 h0.24; PIN_NUMBER "V17" at 271.166,154.5 h0.24; PIN_NUMBER "U16" at 270.166,155.5 h0.24; PIN_NUMBER "M3" at 256.854,160.5 h0.24; PIN_NUMBER "M1" at 254.624,160.5 h0.24; PIN_NUMBER "R4" at 257.854,157.5 h0.24; PIN_NUMBER "N2" at 255.854,159.5 h0.24; PIN_NUMBER "F3" at 256.854,166.5 h0.24; PIN_NUMBER "D1" at 254.624,168.5 h0.24; PIN_NUMBER "D4" at 257.854,168.5 h0.24; PIN_NUMBER "D3" at 256.854,168.5 h0.24; PIN_NUMBER "C3" at 256.854,169.5 h0.24; PIN_NUMBER "C2" at 255.854,169.5 h0.24; PIN_NUMBER "C1" at 254.624,169.5 h0.24; PIN_NUMBER "B3" at 256.854,170.5 h0.24; PIN_NUMBER "B2" at 255.854,170.5 h0.24; PIN_NUMBER "V2" at 255.854,154.5 h0.24; PIN_NUMBER "V1" at 254.624,154.5 h0.24; PIN_NUMBER "B1" at 254.624,170.5 h0.24; PIN_NUMBER "U3" at 256.854,155.5 h0.24; PIN_NUMBER "U2" at 255.854,155.5 h0.24; PIN_NUMBER "U1" at 254.624,155.5 h0.24; PIN_NUMBER "T3" at 256.854,156.5 h0.24; PIN_NUMBER "T2" at 255.854,156.5 h0.24; PIN_NUMBER "T1" at 254.624,156.5 h0.24; PIN_NUMBER "R2" at 255.854,157.5 h0.24; PIN_NUMBER "R1" at 254.624,157.5 h0.24; PIN_NUMBER "P4" at 257.854,158.5 h0.24; PIN_NUMBER "P3" at 256.854,158.5 h0.24; PIN_NUMBER "A2" at 255.854,171.5 h0.24; PIN_NUMBER "P2" at 255.854,158.5 h0.24; PIN_NUMBER "P1" at 254.624,158.5 h0.24; PIN_NUMBER "N4" at 257.854,159.5 h0.24; PIN_NUMBER "N3" at 256.854,159.5 h0.24; PIN_NUMBER "F2" at 255.854,166.5 h0.24; PIN_NUMBER "F1" at 254.624,166.5 h0.24; PIN_NUMBER "E4" at 257.854,167.5 h0.24; PIN_NUMBER "E3" at 256.854,167.5 h0.24; PIN_NUMBER "E2" at 255.854,167.5 h0.24; PIN_NUMBER "E1" at 254.624,167.5 h0.24; PIN_NUMBER "A1" at 254.624,171.5 h0.24; PIN_NUMBER "R3" at 256.854,157.5 h0.24; PIN_NUMBER "N1" at 254.624,159.5 h0.24; PIN_NUMBER "F4" at 257.854,166.5 h0.24; PIN_NUMBER "D2" at 255.854,168.5 h0.24; PIN_NUMBER "J4" at 257.854,163.5 h0.24; PIN_NUMBER "J3" at 256.854,163.5 h0.24; PIN_NUMBER "M4" at 257.854,160.5 h0.24; PIN_NUMBER "J1" at 254.624,163.5 h0.24; PIN_NUMBER "J2" at 255.854,163.5 h0.24; PIN_NUMBER "M2" at 255.854,160.5 h0.24; PIN_NUMBER "G1" at 254.624,165.5 h0.24; PIN_NUMBER "G2" at 255.854,165.5 h0.24; PIN_NUMBER "K4" at 257.854,162.5 h0.24; PIN_NUMBER "H2" at 255.854,164.5 h0.24; PIN_NUMBER "L1" at 254.624,161.5 h0.24; PIN_NUMBER "H1" at 254.624,164.5 h0.24; PIN_NUMBER "L2" at 255.854,161.5 h0.24; PIN_NUMBER "G4" at 257.854,165.5 h0.24; PIN_NUMBER "L3" at 256.854,161.5 h0.24; PIN_NUMBER "G3" at 256.854,165.5 h0.24; PIN_NUMBER "L4" at 257.854,161.5 h0.24; PIN_NUMBER "K1" at 254.624,162.5 h0.24; PIN_NUMBER "H4" at 257.854,164.5 h0.24; PIN_NUMBER "K3" at 256.854,162.5 h0.24; PIN_NUMBER "H3" at 256.854,164.5 h0.24; PIN_NUMBER "K2" at 255.854,162.5 h0.24